# Altium PCB Daughter Board.PcbDoc (part 1 of 3) (continued)
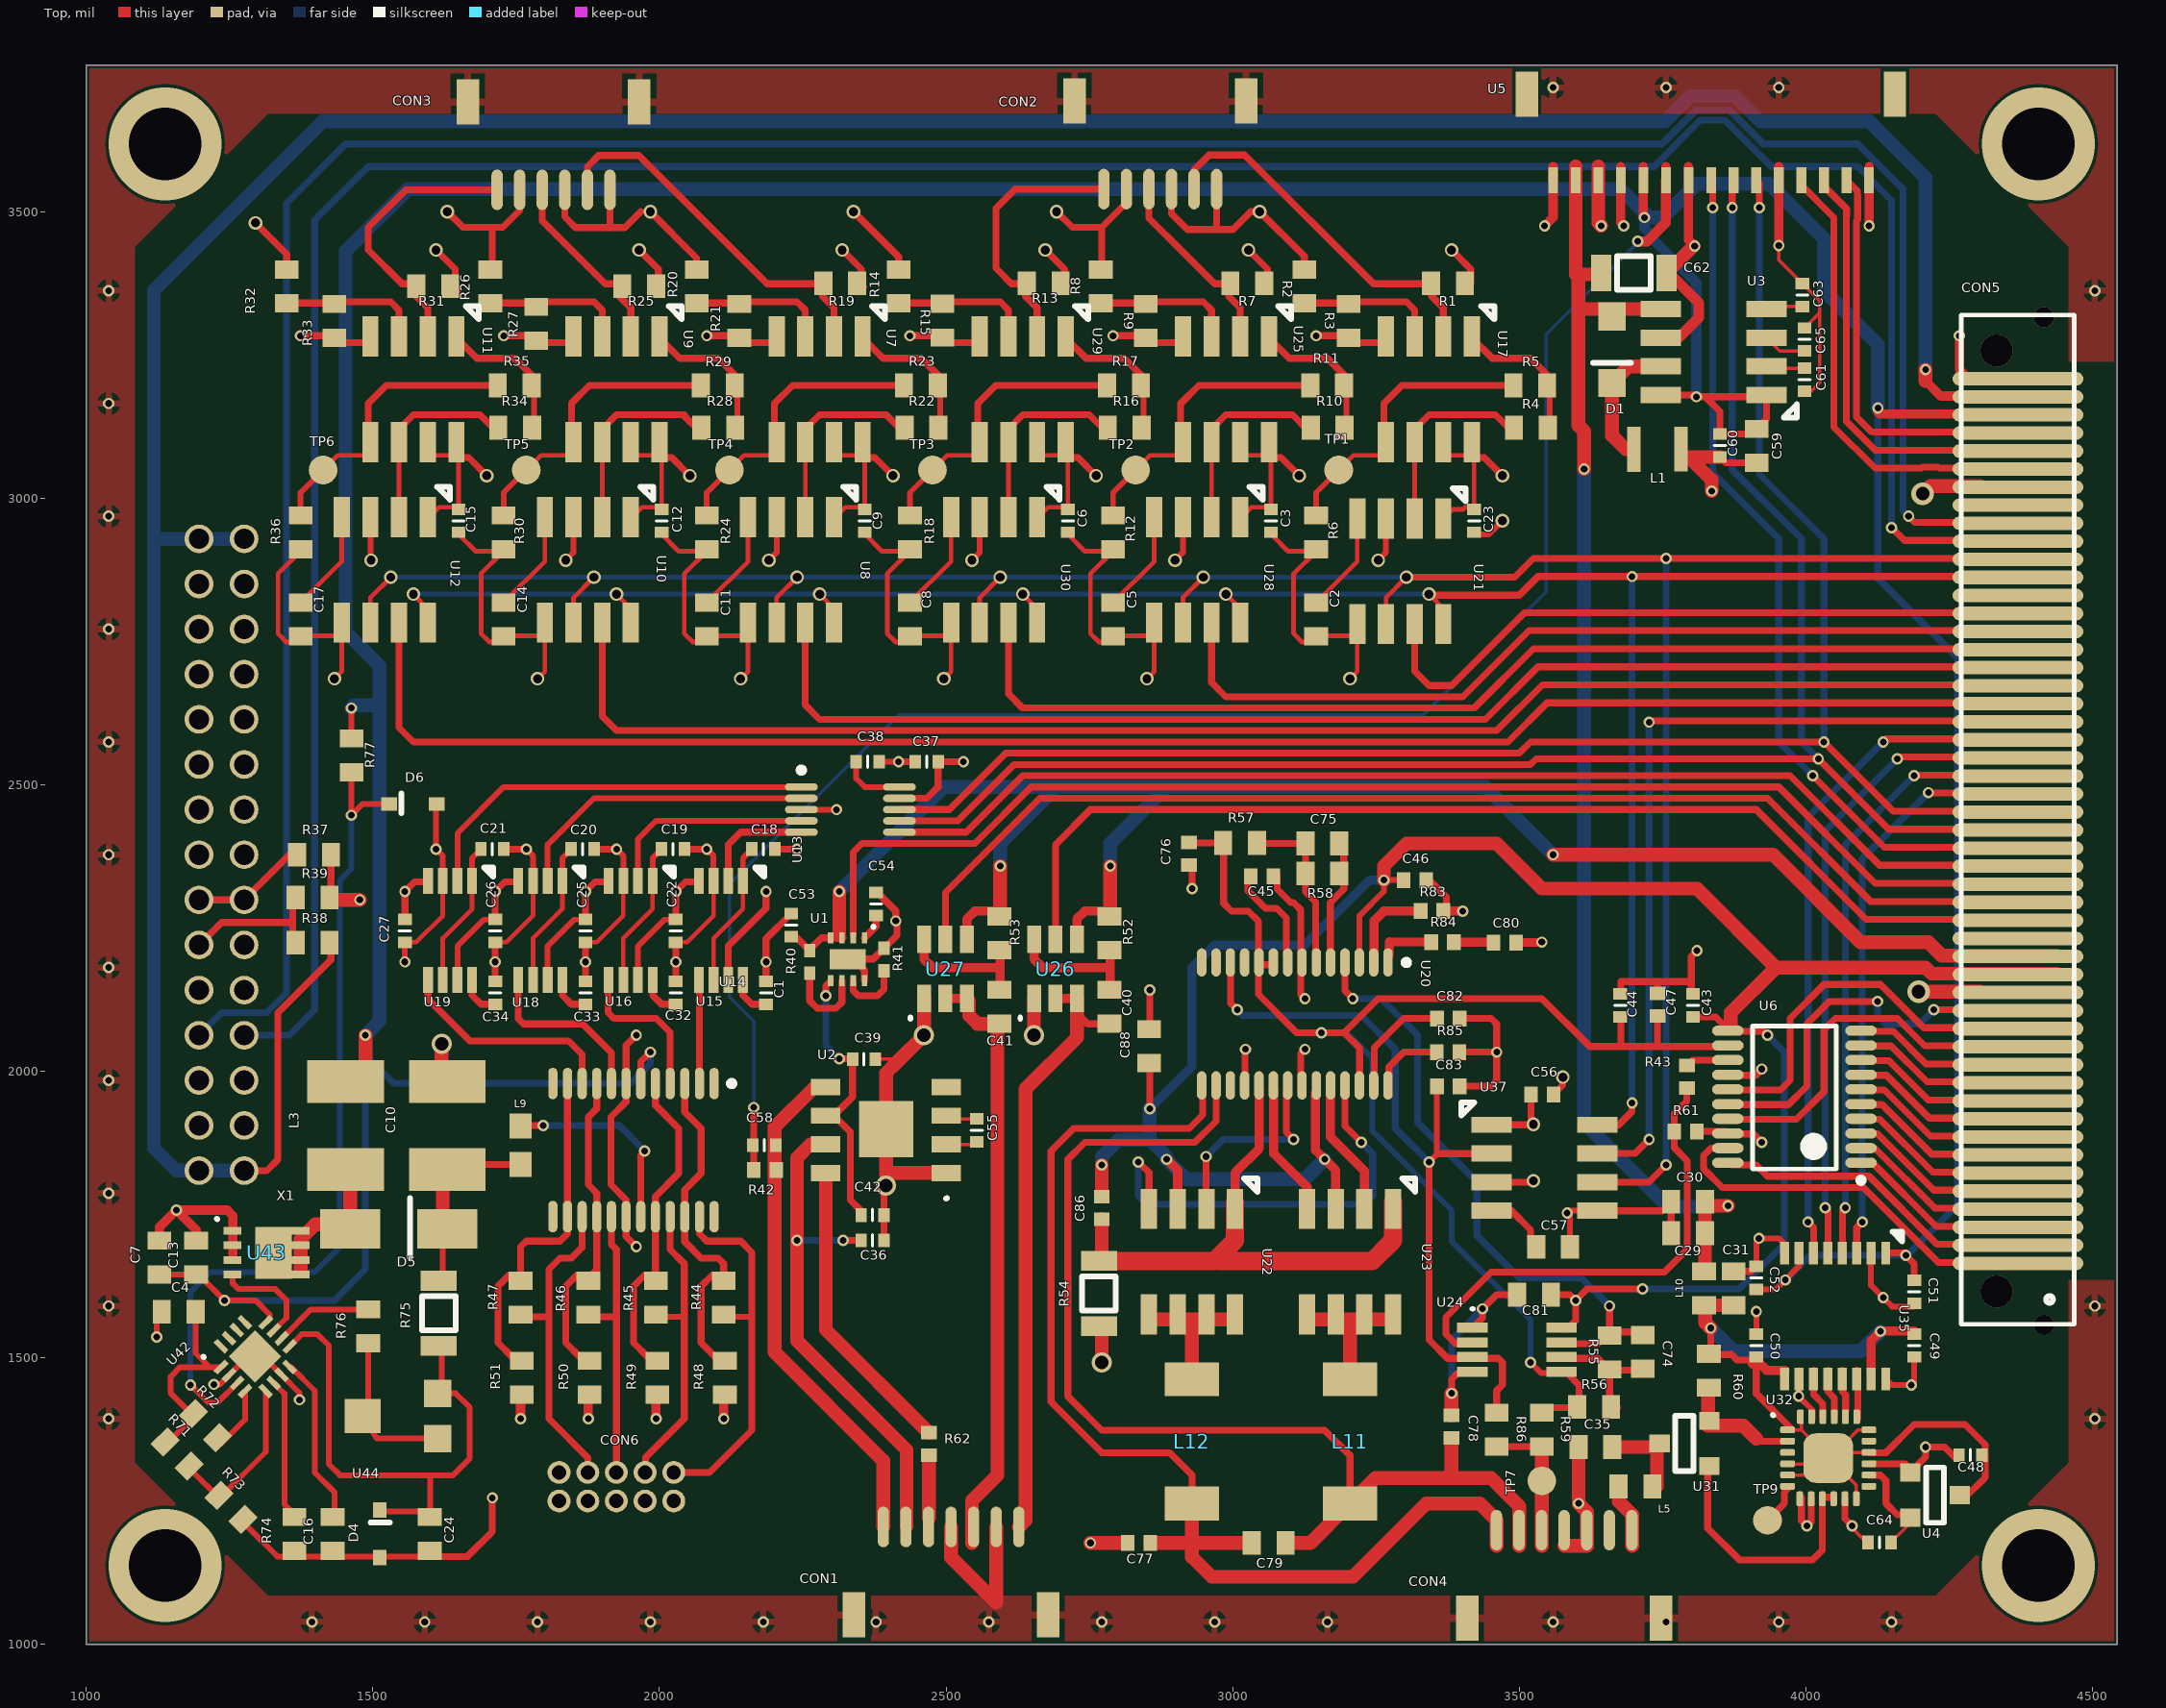
[diagram p0: Top view]
## Footprints (in the part's own frame and the unit in brackets; to place one, negate y for a bottom-side part, rotate by r counter-clockwise, add the part's x,y. Pads: shape width x height; smd on the part's side, far side on the other; paste and mask are expansions set on the pad) (continued)
  silkscreen extent -5,-3 5,7, body extent -13,-325 245,-13, height 47
uMAX-8 [mil]
  rect 45x17 smd: 1(0,0) 2(0,-25.59) 3(0,-51.18) 4(0,-76.77) 5(173,-76.77) 6(173,-51.18) 7(173,-25.59) 8(173,0)
  silkscreen extent -23,21 -7,37, body extent -10,-98 187,20, height 37
? [mm]
  oval 0.5x1.8 smd: 1(5,0) 2(4,0) 3(3,0) 4(2,0) 5(1,0) 6(0,0) 7(-1,0)
  rect 1x2 smd: GND(-2.3,-3.9) GND(6.3,-3.9)
  body extent -2.7,-5.59 6.7,0.31, height 4.56

## Part data
C1 C18 C19 C20 C21 C22 C25 C26 C27 C32 C33 C34 C37 C38: library part CAP_0402, "0402 (1005 Metric) Nick Garner - TeleSense", DeviceSetName=CAP_0402, GateName_1=G$1, LibraryName=Perfect_0402, SymbolName_1=CAP
C2 C5 C8 C11 C14 C17 C29 C30 C31 C35 C40 C41 C57 C88: library part C-EUC0603K, "CAPACITOR, European symbol", DeviceName=C0603K, DeviceSetName=C-EU, GateName_1=G$1, LibraryName=rcl, SymbolName_1=C-EU
C3 C6 C9 C12 C15 C23 C56: library part C-EUC0402K, "CAPACITOR, European symbol", DeviceName=C0402K, DeviceSetName=C-EU, GateName_1=G$1, LibraryName=rcl, SymbolName_1=C-EU
C4 C7 C13 C16 C74 C75 C79: library part C-EUC0603, "CAPACITOR, European symbol", DeviceName=C0603, DeviceSetName=C-EU, GateName_1=G$1, LibraryName=rcl, SymbolName_1=C-EU
C10: library part C-EUC1812, "CAPACITOR, European symbol", DeviceName=C1812, DeviceSetName=C-EU, GateName_1=G$1, LibraryName=rcl, SymbolName_1=C-EU
C24: "CAPACITOR, European symbol", DeviceName=C0603, DeviceSetName=C-EU, GateName_1=G$1, LibraryName=rcl, SymbolName_1=C-EU
C36 C39 C42 C43 C44 C53 C54 C55 C58 C60 C61 C63 C64 C65: library part "CAP 0402", "402 Capacitor"
C45 C46 C47 C48 C49 C50 C51 C52 C76 C77 C78 C80 C81 C82 C83 C86: library part C-EUC0402, "CAPACITOR, European symbol", DeviceName=C0402, DeviceSetName=C-EU, GateName_1=G$1, LibraryName=rcl, SymbolName_1=C-EU
C59: library part "Cap 0603"
C62: library part "CAP 1206", "1206 Capacitor"
CON1: "6 Positions Header Connector Surface Mount, Right Angle", Manufacturer=Samtec, Manufacturer Part Number=T1M-06-F-SH-L-K, Supplier Part Number 1=SAM11991-ND, Stock 1=0, Supplier 1=Digi-Key
CON2 CON3: "6 Positions Header Connector Surface Mount, Right Angle", Manufacturer=Samtec, Supplier Part Number 1=SAM11991-ND, Manufacturer Part Number=T1M-06-F-SH-L-K, Stock 1=0, Supplier 1=Digi-Key
CON5: library part SAMTEC_LSEM_V_50, "SAMTEC connector SAMTEC_LSEM_V_50"
D1: "DIODE SCHOTTKY 20V 1A"
D5: library part GF1, "DIODE", DeviceSetName=GF1, GateName_1=D, LibraryName=diode, SymbolName_1=D-1
L3: library part L-USL1812, "INDUCTOR, American symbol", DeviceName=L1812, DeviceSetName=L-US, GateName_1=G$1, LibraryName=resistor, SymbolName_1=L-US
L5 L10: library part INDUCTOR0603, "InductorsBasic Inductor/Choke - 0603 and 1206. Footprints are not proven and vary greatly between part numbers.SRN6045- 33uH, 20% 1.4ASDR0403-560KL - 56uH, 10%, 500mA RMS/740mA peak", DeviceName=0603, DeviceSetName=INDUCTOR, GateName_1=G$1, LibraryName=SparkFun-Passives, SymbolName_1=INDUCTOR
L9: library part INDUCTOR30OHM,1.8A, "InductorsBasic Inductor/Choke - 0603 and 1206. Footprints are not proven and vary greatly between part numbers.SRN6045- 33uH, 20% 1.4ASDR0403-560KL - 56uH, 10%, 500mA RMS/740mA peak", DeviceName=30OHM,1.8A, DeviceSetName=INDUCTOR, GateName_1=G$1, LibraryName=SparkFun-Passives, PROD_ID=RES-07859, SymbolName_1=INDUCTOR
L11 L12: library part INDUCTOR-B82462G, "10uH", DeviceName=-B82462G, DeviceSetName=INDUCTOR, GateName_1=G$1, LibraryName=SparkFun-Passives, SymbolName_1=INDUCTOR
R1 R2 R3 R4 R5 R6 R7 R8 R9 R10 R11 R12 R13 R14 R15 R16 R17 R18 R19 R20 R21 R22 R23 R24 R25 R26 R27 R28 R29 R30 R31 R32 R33 R34 R35 R36 R37 R38 R39 R43 R44 R45 R46 R47 R48 R49 R50 R51 R52 R53 R55 R56 R57 R58 R59 R60 R61 R71 R72 R73 R74 R76 R77 R86: library part R-US_R0603, "RESISTOR, American symbol", DeviceName=R0603, DeviceSetName=R-US_, GateName_1=G$1, LibraryName=rcl, SymbolName_1=R-US
R40 R41 R42 R62: library part "RES 0402", "402 Resistor"
R54 R75: library part R-US_R1206, "RESISTOR, American symbol", DeviceName=R1206, DeviceSetName=R-US_, GateName_1=G$1, LibraryName=rcl, SymbolName_1=R-US
R83 R84 R85: library part R-US_R0402, "RESISTOR, American symbol", DeviceName=R0402, DeviceSetName=R-US_, GateName_1=G$1, LibraryName=rcl, SymbolName_1=R-US
TP1 TP2 TP3 TP4 TP5 TP6 TP7 TP9: "Test pad", DeviceName=B1,27, DeviceSetName=TP, GateName_1=G$1, LibraryName=testpad, SymbolName_1=TP, TP_SIGNAL_NAME=>TP_SIGNAL_NAME
U1: library part TPS2595x3
U4: library part MC15*TT, "2.5V and 4.096V Voltage ReferencesSource: http://www.microchip.com .. 21653b.pdf", DeviceName=TT, DeviceSetName=MC15*, GateName_1=G$1, LibraryName=microchip, OC_FARNELL=unknown, OC_NEWARK=unknown, SymbolName_1=MCP1525
U44: library part TRIMPOTTC33X, "SMT trimmer potentiometer part number TC33X http://www.ladyada.net/library/eagle", DeviceName=TC33X, DeviceSetName=TRIMPOT, GateName_1=G$1, LibraryName=adafruit, SymbolName_1=TRIMPOT
CON4: DeviceSetName=SAMTEC_T1M_X7, GateName_1=G$1, LibraryName=custom, SymbolName_1=SAMTEC_T1M_X7
U7 U9 U11 U17 U25 U29: DeviceSetName=MCP6N11, GateName_1=G$1, LibraryName=custom, SymbolName_1=MCP6N11
U8 U10 U12 U21 U28 U30 U37: DeviceSetName=MAX1240, GateName_1=G$1, LibraryName=custom, SymbolName_1=MAX1240
U13: DeviceSetName=AD5664R, GateName_1=G$1, LibraryName=custom, SymbolName_1=AD5664R
U14: DeviceSetName=HV264, GateName_1=G$1, LibraryName=custom, SymbolName_1=HV264
U15 U16 U18 U19: DeviceSetName=MAX7413, GateName_1=G$1, LibraryName=custom, SymbolName_1=MAX7413
U20: DeviceName=SSOP28, DeviceSetName=LTC1923, GateName_1=G$1, LibraryName=custom, SymbolName_1=LTC1923
U22 U23: DeviceSetName=SI9801DY, GateName_1=G$1, LibraryName=custom, SymbolName_1=SI9801DY
U24: DeviceSetName=LTC2053, GateName_1=G$1, LibraryName=custom, SymbolName_1=LTC2053
U26 U27: DeviceSetName=TPS27082L, GateName_1=G$1, LibraryName=custom, SymbolName_1=TPS27082L
U31: DeviceSetName=SI2334DS, GateName_1=G$1, LibraryName=custom, SymbolName_1=N-CHANNEL
U32: DeviceSetName=ADN8810, GateName_1=G$1, LibraryName=custom, SymbolName_1=ADN8810
U35: DeviceSetName=ADUM7440, GateName_1=G$1, LibraryName=custom, SymbolName_1=ADUM7440
U42: DeviceSetName=HV9150, GateName_1=G$1, LibraryName=custom, SymbolName_1=HV9150
U43: DeviceSetName=BSZ42DN25NS3, GateName_1=G$1, LibraryName=custom, SymbolName_1=BSZ42DN25NS3

## Via types
v1: diameter 19.81/19.81/19.81/19.81 (per signal layer), hole 11.81, Top to Bottom, tented both sides, 170 vias
v2: diameter 23.75/23.75/23.75/23.75 (per signal layer), hole 15.75, Top to Bottom, 46 vias
v3: diameter 35.43/31.62/31.62/35.43 (per signal layer), hole 23.62, Top to Bottom, 5 vias
v4: diameter 196.85/151.18/151.18/196.85 (per signal layer), hole 125.98, Top to Bottom, 4 vias
v5: diameter 35.43, hole 35.43, Top to Bottom, 2 vias
v6: diameter 55.91, hole 55.91, Top to Bottom, 2 vias
v7: diameter 39.37/31.62/31.62/39.37 (per signal layer), hole 23.62, Top to Bottom, 2 vias

## Nets (pads, with @x,y where several pads share a name; then routed paths per layer and width w, separated by ;. In a path a pad name is that pad's centre, name@x,y a point inside that pad or via, vN(x,y) a via of type N, cw(c..) or ccw(c..) an arc to the next point about the centre after c; other vN are vias at no path point)
5V_EDFA: CON5.49 R38.2 X1.1 X1.2 X1.29 X1.30 | length 6270.4
  Top w12: X1.1@1275.59,1826.77 1314.96,1826.77 1334.65,1846.46 1334.65,2102.36 1427.17,2194.88 R38.2@1427.17,2220.47
  Top w16: 4208.66,3204.72 4235.04,3178.35 4304.13,3178.35 CON5.49@4437.99,3178.35
  Top w24: 4208.66,3204.72 v1(4208.66,3224.41)
  Bottom w24: X1.2@1196.85,1826.77 X1.1@1275.59,1826.77 1157.48,1826.77 1118.11,1866.14 1118.11,2929.13 ; X1.29@1275.59,2929.13 X1.30@1196.85,2929.13 1118.11,2929.13 ; v1(4208.66,3224.41) 4208.66,3559.06 4110.24,3657.48 3920.32,3657.48 3876.23,3701.57 3798.44,3701.57 3754.35,3657.48 1413.39,3657.48 1118.11,3362.2 1118.11,2929.13
5V_HEATER: C53.2 CON5.18 R40.1 R52.2 R53.2 U1.3 U1.4 U26.4 U27.4 | length 3215.5
  Top w6: C53.2@2230,2235.08 C53.2@2237.83,2235.08 ; R40.1@2262.29,2210.62 R40.1@2262.29,2212.59 ; U1.4@2298.83,2232.88 2308.68,2232.88 ; U1.3@2313.74,2237.66 U1.3@2318.52,2232.88
  Top w12: C53.2@2237.83,2235.08 R40.1@2262.29,2210.62 ; R40.1@2262.29,2212.59 2282.57,2232.88 U1.4@2298.83,2232.88 ; R53.2@2593.5,2279.53 R53.2@2594.49,2278.54 ; R52.2@2785.43,2279.53 R52.2@2786.42,2278.54
  Top w15: 2308.68,2232.88 U1.3@2318.52,2232.88
  Top w16: U27.4@2536.42,2237.2 2536.42,2265.75 2550.2,2279.53 R53.2@2593.5,2279.53 ; U26.4@2728.35,2237.2 2728.35,2265.75 2742.13,2279.53 R52.2@2785.43,2279.53
  Top w24: U1.3@2313.74,2237.66 v1(2313.74,2313.74) ; R53.2@2594.49,2278.54 v1(2594.49,2358.27) ; R52.2@2786.42,2278.54 v1(2786.42,2358.27) ; v1(3559.06,2377.95) 3942.91,2377.95 4095.47,2225.39 4213.58,2225.39 4237.01,2201.97 CON5.18@4437.99,2201.97
  Bottom w24: v1(2313.74,2313.74) 2496.06,2496.06 2692.91,2496.06 ; v1(2594.49,2358.27) 2594.49,2397.64 2692.91,2496.06 ; v1(2786.42,2358.27) 2786.42,2397.64 2884.84,2496.06 ; v1(3559.06,2377.95) 3440.94,2496.06 2884.84,2496.06 ; 2692.91,2496.06 2884.84,2496.06
5V_LD_CONTROL: C7.1 C13.1 C51.2 C52.2 C59.1 C60.2 CON5.48 L3.1 R77.1 U3.1 U3.8 U5.5 U14.6 U35.1 U35.7 U42.12 | length 9350.7
  Top w6: v1@3806,3180 v1(3809,3177) ; C59.1@3904.94,3112 C59.1@3914,3121.06
  Top w10: C7.1@1127.95,1645.67 C13.1@1191.93,1645.67 1205.71,1635.83 v1(1241.14,1600.39) 1295.28,1600.39 1319.88,1575.79 1319.88,1568.33 U42.12@1313.37,1561.82 ; R77.1@1462.6,2588.58 v1(1462.6,2633.86) ; C52.2@3913.39,1619.76 3947.84,1619.76 v1(3964,1635.92) 3988.09,1660.01 U35.7@3988.09,1683.07
  Top w12: U14.6@1967.52,1976.09 U14.6@1967.52,1978.63 1967.52,2016.73 v1(1984.25,2033.46) ; U3.8@3747.06,3180 v1@3806,3180 ; v1(3809,3177) 3824.45,3177 ; C59.1@3904.94,3112 C60.2@3850,3112 3850,3151.45 3824.45,3177 ; C59.1@3914,3121.06 3931.31,3138.37 U3.1@3931.31,3180 3928.31,3177 3824.45,3177 ; U35.1@4138.68,1683.07 U35.1@4138.98,1683.07 ; C51.2@4188.98,1640.75 4188.98,1664.37 v1(4174.21,1679.13) 4170.32,1683.03 U35.1@4139.27,1683.07 ; U35.1@4138.98,1683.07 U35.1@4139.27,1683.07 ; U35.1@4138.98,1683.07 U35.1@4139.27,1683.07
  Top w16: 3716.54,3578.74 3716.54,3491.46 v1(3718.27,3489.73) ; v1(4125.61,3157.2) 4125.61,3149.98 4128.74,3146.85 CON5.48@4437.99,3146.85
  Top w24: L3.1@1452.76,1982.28 1487.2,1982.28 v1(1487.2,2062.99)
  Bottom w6: v1(4174.21,1679.13) v1@4176.71,1679.13
  Bottom w12: v1(1241.14,1600.39) 1433.07,1600.39 1487.2,1654.53 1487.2,2028.54 ; v1(1487.2,2062.99) 1487.2,2028.54 ; v1(1984.25,2033.46) 1984.25,2013.78 1949.8,1979.33 1536.42,1979.33 1487.2,2028.54 ; v1(3964,1635.92) 4007.21,1679.13 v1(4174.21,1679.13) ; v1(4125.61,3157.2) 4125.61,2860.15 4264,2721.76 4264,1766.42 v1@4176.71,1679.13
  Bottom w18: v1(3718.27,3489.73) 3718.27,3471.52 3731.36,3458.43 3731.36,3453.64 3809,3376 v1(3809,3177)
  Bottom w24: v1(1462.6,2633.86) 1467.52,2638.78 1511.81,2638.78 ; v1(1487.2,2062.99) 1511.81,2087.6 1511.81,2638.78 ; v1(3718.27,3489.73) v1@3726.81,3489.73 ; v1(4125.61,3157.2) 4125.61,3268.09 4031.5,3362.2 4031.5,3452.96 3935.98,3548.48 3809.31,3548.48 3750.56,3489.73 v1@3726.81,3489.73 ; 1511.81,2638.78 1511.81,2707.68 1452.76,2766.73 1452.76,3431.1 1561.02,3539.37 3677.17,3539.37 v1@3726.81,3489.73
5V_LD_TEC: C43.1 C46.1 C81.1 C86.2 C88.1 CON5.17 U6.11 U20.3 U20.23 U22.3 U23.3 U24.8 | length 4251.1
  Top w10: U20.3@3221.46,2202.76 3221.46,2271.65 3263.78,2313.98 v1(3263.78,2333.66) C46.1@3292.32,2333.66
  Top w12: v1(2855.32,1935.04) C88.1@2855.32,2013.78 ; C81.1@3555.12,1610.24 3588.58,1610.24 v1(3598.43,1600.39) ; U24.8@3583.15,1550.24 3598.43,1565.51 v1(3598.43,1600.39) ; v1(3714.89,1620.08) 3618.11,1620.08 v1(3598.43,1600.39) ; C43.1@3803,2095 3842.29,2095 3867.41,2069.88 3926.18,2069.88 v1(3933.07,2062.99)
  Top w16: v1(2884.84,1846.46) 2904.13,1827.17 U22.3@2904.13,1771.65 ; U20.23@3144.69,1962.6 3144.69,1862.2 v1(3160.43,1846.46) 3179.72,1827.17 U23.3@3179.72,1771.65 ; U6.11@3867.41,2069.88 U6.11@3869.09,2071.57
  Top w24: C86.2@2771.65,1793.31 v1(2771.65,1836.61) ; v1(3263.78,2333.66) 3263.78,2358.27 3303.15,2397.64 3460.63,2397.64 3539.37,2318.9 3810.04,2318.9 3947.83,2181.1 ; 3869.09,2080 3869.09,2102.36 3947.83,2181.1 ; CON5.17@4437.99,2170.47 4219.29,2170.47 4208.66,2181.1 3947.83,2181.1
  Bottom w12: v1(3714.89,1620.08) 3883.71,1620.08 3962.6,1698.97 3962.6,2033.46 v1(3933.07,2062.99)
  Bottom w16: v1(2855.32,1935.04) 2929.13,2008.86 2929.13,2181.1 2968.5,2220.47 3125.98,2220.47 3239.17,2333.66 v1(3263.78,2333.66)
  Bottom w24: v1(2771.65,1836.61) 2771.65,1851.38 2801.18,1880.91 2855.32,1880.91 ; v1(2855.32,1935.04) 2855.32,1880.91 ; v1(3160.43,1846.46) 3125.98,1812.01 2919.29,1812.01 v1(2884.84,1846.46) 2884.84,1851.38 2855.32,1880.91
+3V3: C3.1 C6.1 C9.1 C12.1 C15.1 C22.2 C23.1 C25.2 C26.2 C27.2 C37.2 C56.2 CON2.2 CON2.4 CON2.6 CON3.2 CON3.4 CON3.6 CON5.44 R2.2 R8.2 R14.2 R20.2 R26.2 R32.2 U5.3 U7.7 U7.8 U8.1 U8.3 U9.7 U9.8 U10.1 U10.3 U11.7 U11.8 U12.1 U12.3 U13.9 U15.4 U15.7 U16.4 U16.7 U17.7 U17.8 U18.4 U18.7 U19.4 U19.7 U21.1 U21.3 U25.7 U25.8 U28.1 U28.3 U29.7 U29.8 U30.1 U30.3 U37.1 U37.3 | length 5640.8
  Top w6: 1912.31,3472.32 1913.74,3473.75 ; 1967.65,3500 v2(1984.25,3500) ; 2971,3469 2972.11,3470.11
  Top w8: U12.1@1595.87,2964.57 1615.55,2984.25 1649.61,2984.25 1649.61,3071.06 1645.87,3074.8 U11.7@1595.87,3074.8 ; U10.1@1950.2,2964.57 1969.88,2984.25 2003.94,2984.25 2003.94,3071.06 2000.2,3074.8 U9.7@1950.2,3074.8 ; U8.1@2304.53,2964.57 2324.21,2984.25 2358.27,2984.25 2358.27,3071.06 2354.53,3074.8 U7.7@2304.53,3074.8 ; U30.1@2658.86,2964.57 2678.54,2984.25 2712.6,2984.25 2712.6,3071.06 2708.86,3074.8 U29.7@2658.86,3074.8 ; U28.1@3013.19,2964.57 3032.87,2984.25 3066.93,2984.25 3066.93,3071.06 3063.19,3074.8 U25.7@3013.19,3074.8 ; U21.1@3367.52,2964.57 3383.27,2980.32 3401.57,2980.32 3405.51,2984.25 3421.26,2984.25 3421.26,3071.06 3417.52,3074.8 U17.7@3367.52,3074.8
  Top w10: U12.3@1495.87,2964.57 1495.87,2895.47 v2(1497.05,2891.73) ; U19.7@1647.64,2159.45 1647.64,2218.5 1693.9,2264.76 C26.2@1713.58,2264.76 ; U18.7@1805.12,2159.45 1805.12,2218.5 1851.38,2264.76 C25.2@1871.06,2264.76 ; v2(1836.61,2891.73) 1850.2,2905.32 U10.3@1850.2,2964.57 ; U16.7@1962.6,2159.45 1962.6,2218.5 2008.86,2264.76 C22.2@2028.54,2264.76 ; v2(2190.94,2891.73) 2204.53,2905.32 U8.3@2204.53,2964.57 ; v2(2545.28,2891.73) 2558.86,2905.32 U30.3@2558.86,2964.57 ; v2(2899.61,2891.73) 2913.19,2905.32 U28.3@2913.19,2964.57 ; v2(3253.94,2891.73) 3267.52,2905.32 U21.3@3267.52,2964.57
  Top w12: v2@1303.15,3472.44 v2(1295.28,3480.32) 1350,3425.6 R32.2@1350,3399.06 ; C27.2@1556.1,2264.76 C27.2@1556.1,2265.08 v1(1556.1,2313.98) 1572.83,2330.71 U19.4@1596.45,2330.71 ; v2(1629.92,3500) 1657.48,3472.44 1708.66,3472.44 ; U11.8@1649.61,3071.06 1667.13,3071.06 v2(1698.82,3039.37) ; R26.2@1708.66,3407.48 1708.66,3472.44 ; C26.2@1713.58,2264.76 C26.2@1713.58,2265.08 v1(1713.58,2313.98) 1730.32,2330.71 U18.4@1753.93,2330.71 ; CON3.2@1756.26,3538 1756.26,3502 1726.7,3472.44 1708.66,3472.44 ; CON3.4@1835,3538 1835,3491 1853.68,3472.32 1912.31,3472.32 1939.97,3472.32 1967.65,3500 ; C25.2@1871.06,2264.76 C25.2@1871.06,2265.08 v1(1871.06,2313.98) 1887.8,2330.71 U16.4@1911.41,2330.71 ; 1913.74,3473.75 CON3.6@1913.74,3538 ; v2(1984.25,3500) 2065,3419.25 R20.2@2065,3399.06 ; U9.8@2003.94,3071.06 2021.46,3071.06 v2(2053.15,3039.37) ; C22.2@2028.54,2264.76 C22.2@2028.54,2265.08 v1(2028.54,2313.98) 2045.28,2330.71 U15.4@2068.89,2330.71 ; U15.7@2120.08,2159.45 2120.08,2218.5 2186.02,2284.45 v1(2186.02,2313.98) ; v2(2338.58,3500) 2417.32,3421.26 R14.2@2417.32,3399.06 ; U7.8@2358.27,3071.06 2375.79,3071.06 v2(2407.48,3039.37) ; U13.9@2421.78,2476.38 2466.54,2476.38 2486.22,2496.06 2486.22,2540.35 C37.2@2486.54,2540.35 v1(2530.51,2540.35) ; v2(2692.91,3500) 2720.47,3472.44 2771.65,3472.44 ; U29.8@2712.6,3071.06 2730.12,3071.06 v2(2761.81,3039.37) ; R8.2@2771.65,3407.48 2771.65,3472.44 ; CON2.2@2814.63,3539.37 2814.63,3515.42 2771.65,3472.44 ; CON2.4@2893.37,3539.37 2893.37,3496.63 2921,3469 2971,3469 3000.57,3469 3031.57,3500 v2(3047.24,3500) 3125,3422.24 R2.2@3125,3399.06 ; 2972.11,3470.11 CON2.6@2972.11,3539.37 ; U25.8@3066.93,3071.06 3084.45,3071.06 v2(3116.14,3039.37) ; U17.8@3421.26,3071.06 3438.78,3071.06 v2(3470.47,3039.37) ; U37.3@3451.77,1806.69 3522.24,1806.69 v2(3524.61,1809.06) ; U37.1@3451.77,1906.69 3523.82,1906.69 v2(3524.61,1907.48) 3520.67,1911.42 C56.2@3520.67,1959.65
  Top w24: 3637.8,3578.74 3637.8,3480.32 v1(3642.72,3475.39) ; v7(4203.74,3007.87) 4216.73,3020.87 CON5.44@4304.13,3020.87
  3V3 w10: 1492.13,2870.08 v2(1497.05,2891.73) ; v2(1698.82,3039.37) 1718.5,3007.87 ; v2(2053.15,3039.37) 2072.83,3007.87 ; v2(2407.48,3039.37) 2427.17,3007.87 ; v2(2761.81,3039.37) 2781.5,3007.87 ; v2(3116.14,3039.37) 3135.83,3007.87 ; v2(3470.47,3039.37) 3490.16,3007.87
  3V3 w12: 1295.28,3440.94 v2(1295.28,3480.32) ; v2(1629.92,3500) 1649.61,3480.32 ; v2(1984.25,3500) 2003.94,3480.32 ; v2(2338.58,3500) 2358.27,3480.32 ; v2(2692.91,3500) 2712.6,3480.32 ; v2(3047.24,3500) 3066.93,3480.32
-5V: C29.2 C30.2 C62.2 D1.2 L10.1 U3.5 U5.2 | length 2341.5
  Top w6: 3603,3333.02 3606.02,3330 ; L10.1@3824.06,1651.34 L10.1@3824.39,1651 ; C30.2@3824.06,1772.25 C30.2@3831,1765.31
  Top w24: 3598.43,3578.74 3598.43,3390.52 ; 3606.02,3330 U3.5@3747.06,3330 ; v1(3613.1,3050.8) 3613.1,3116.9 3603,3127 3603,3333.02 3603,3385.95 3598.43,3390.52 ; C62.2@3643,3393 3640.52,3390.52 3598.43,3390.52 ; L10.1@3824.06,1651.34 C29.2@3824.06,1717.51 C30.2@3824.06,1772.25 ; C30.2@3831,1765.31 v1(3863.95,1765.31)
  Bottom w24: v1(3613.1,3050.8) 3613.1,1909.95 3759.73,1763.32 v1(3863.95,1765.31)
BIST1: CON5.45 U5.12 | length 740.8
  Top w12: U5.12@3992.13,3555 3992.13,3546.4 4049,3489.53 4049,3124 4120.64,3052.36 4201.18,3052.36 4202.95,3054.13 4230.51,3054.13 4232.28,3052.36 CON5.45@4304.13,3052.36
BIST2: CON5.46 U5.13 | length 825.8
  Top w12: U5.13@4031.5,3555 4031.5,3544.43 4070.87,3505.06 4070.87,3492.45 4070.34,3491.92 4070.34,3134.29 4120.77,3083.86 CON5.46@4304.13,3083.86
  Top w16: CON5.46@4304.13,3083.86 CON5.46@4437.99,3083.86
BIST3: CON5.47 U5.14 | length 782.7
  Top w12: U5.14@4070.87,3555 4089.74,3536.13 4089.74,3527.53 4090.24,3527.03 4090.24,3486.37 4088.34,3484.46 4088.34,3141.75 4114.73,3115.35 CON5.47@4304.13,3115.35
  Top w16: CON5.47@4304.13,3115.35 CON5.47@4437.99,3115.35
CH_D: C58.1 R42.1 U5.6 | length 2989.2
  Top w6: R42.1@2164.37,1827.76 R42.1@2164.74,1828.12
  Top w12: R42.1@2164.74,1828.12 v1(2164.74,1936.97)
  Top w16: U5.6@3755.91,3555 3755.91,3578.74
  Top w18: v1(3706.45,3448.11) 3723.11,3448.11 3755.91,3480.91 U5.6@3755.91,3555
  Bottom w6: v1(2164.74,1936.97) 2164.74,2087 2122,2129.73 2122,2326.24 2417.76,2622 3332.7,2622 3547.14,2836.44 3547.14,3286.31 v1@3706.72,3445.89
DAC_D0: CON5.1 U6.19 | length 623.9
  Top w12: U6.19@3866.43,1866.14 3834.65,1866.14 3821.24,1852.74 3821.24,1830.33 3854.33,1797.24 4100.39,1797.24 4231.1,1666.54 CON5.1@4304.13,1666.54
DAC_D1: CON5.2 U6.20 | length 491.2
  Top w12: U6.20@3870.36,1836.61 3913.39,1836.61 3933.07,1816.93 4110.24,1816.93 4229.13,1698.03 CON5.2@4304.13,1698.03
DAC_D2: CON5.3 U6.1 | length 252.6
  Top w12: U6.1@4097.16,1839.57 4117.13,1839.57 4227.17,1729.53 CON5.3@4304.13,1729.53
DAC_D3: CON5.4 U6.2 | length 250.1
  Top w12: U6.2@4097.16,1865.16 4121.06,1865.16 4225.2,1761.02 CON5.4@4304.13,1761.02
DAC_D4: CON5.5 U6.3 | length 247.7
  Top w12: U6.3@4097.16,1890.75 4125,1890.75 4223.23,1792.52 CON5.5@4304.13,1792.52
DAC_D5: CON5.6 U6.4 | length 245.2
  Top w12: U6.4@4097.16,1916.34 4128.94,1916.34 4221.26,1824.02 CON5.6@4304.13,1824.02
DAC_D7: CON5.8 U6.6 | length 240.3
  Top w12: U6.6@4097.16,1967.52 4136.81,1967.52 4217.32,1887.01 CON5.8@4304.13,1887.01
DAC_D8: CON5.9 U6.7 | length 237.9
  Top w12: U6.7@4097.16,1993.11 4140.75,1993.11 4215.35,1918.5 CON5.9@4304.13,1918.5
DAC_D9: CON5.10 U6.8 | length 235.4
  Top w12: U6.8@4097.16,2018.7 4144.69,2018.7 4213.39,1950 CON5.10@4304.13,1950
DAC_D10: CON5.11 U6.9 | length 233
  Top w12: U6.9@4097.16,2044.29 4148.62,2044.29 4211.42,1981.5 CON5.11@4304.13,1981.5
DAC_D11: CON5.12 U6.10 | length 230.5
  Top w12: U6.10@4097.16,2069.88 4152.56,2069.88 4209.45,2012.99 CON5.12@4304.13,2012.99
EDFA_RX: CON5.42 X1.8 | length 5343.9
  Top w12: v1(4179.13,2968.5) 4189.76,2957.87 CON5.42@4304.13,2957.87
  Top w16: CON5.42@4304.13,2957.87 CON5.42@4437.99,2957.87
  Bottom w12: X1.8@1196.85,2062.99 1236.22,2102.36 1314.96,2102.36 1349.41,2136.81 1349.41,3514.76 1452.76,3618.11 3748.92,3618.11 3808.38,3677.57 3866.29,3677.57 3925.75,3618.11 4090.55,3618.11 4169.29,3539.37 4169.29,2978.35 v1(4179.13,2968.5)
EDFA_TX: CON5.41 X1.7 | length 5269
  Top w12: v1(4149.61,2948.82) 4172.05,2926.38 CON5.41@4304.13,2926.38
  Top w16: CON5.41@4304.13,2926.38 CON5.41@4437.99,2926.38
  Bottom w12: X1.7@1275.59,2062.99 1354.33,2062.99 1398.62,2107.28 1398.62,3485.24 1492.13,3578.74 3735.01,3578.74 3815.84,3659.57 3858.83,3659.57 3939.66,3578.74 4090.55,3578.74 4149.61,3519.69 v1(4149.61,2948.82)
EN: D6.1 R77.2 U42.3 | length 1466
  Top w10: v1(1182.09,1452.76) 1212.85,1422 1229.23,1422 U42.3@1263.26,1456.03 ; R77.2@1462.6,2521.65 v1(1462.6,2446.85) 1482.28,2466.54 D6.1@1520.66,2466.54
  Bottom w10: v1(1182.09,1452.76) 1182.09,1615.16 1216.54,1649.61 1398.62,1649.61 1442.91,1693.9 1442.91,2333.66 1462.6,2353.35 v1(1462.6,2446.85)